# Altium PCB PCB.PcbDoc
Units mm, origin at the board's own origin, x right, y up, seen from the top; angles counter-clockwise.
Board outline 70 x 83.75 mm, 2 copper layers (Top Layer, Bottom Layer); 84 components, 66 nets, 256 pads, 152 vias.
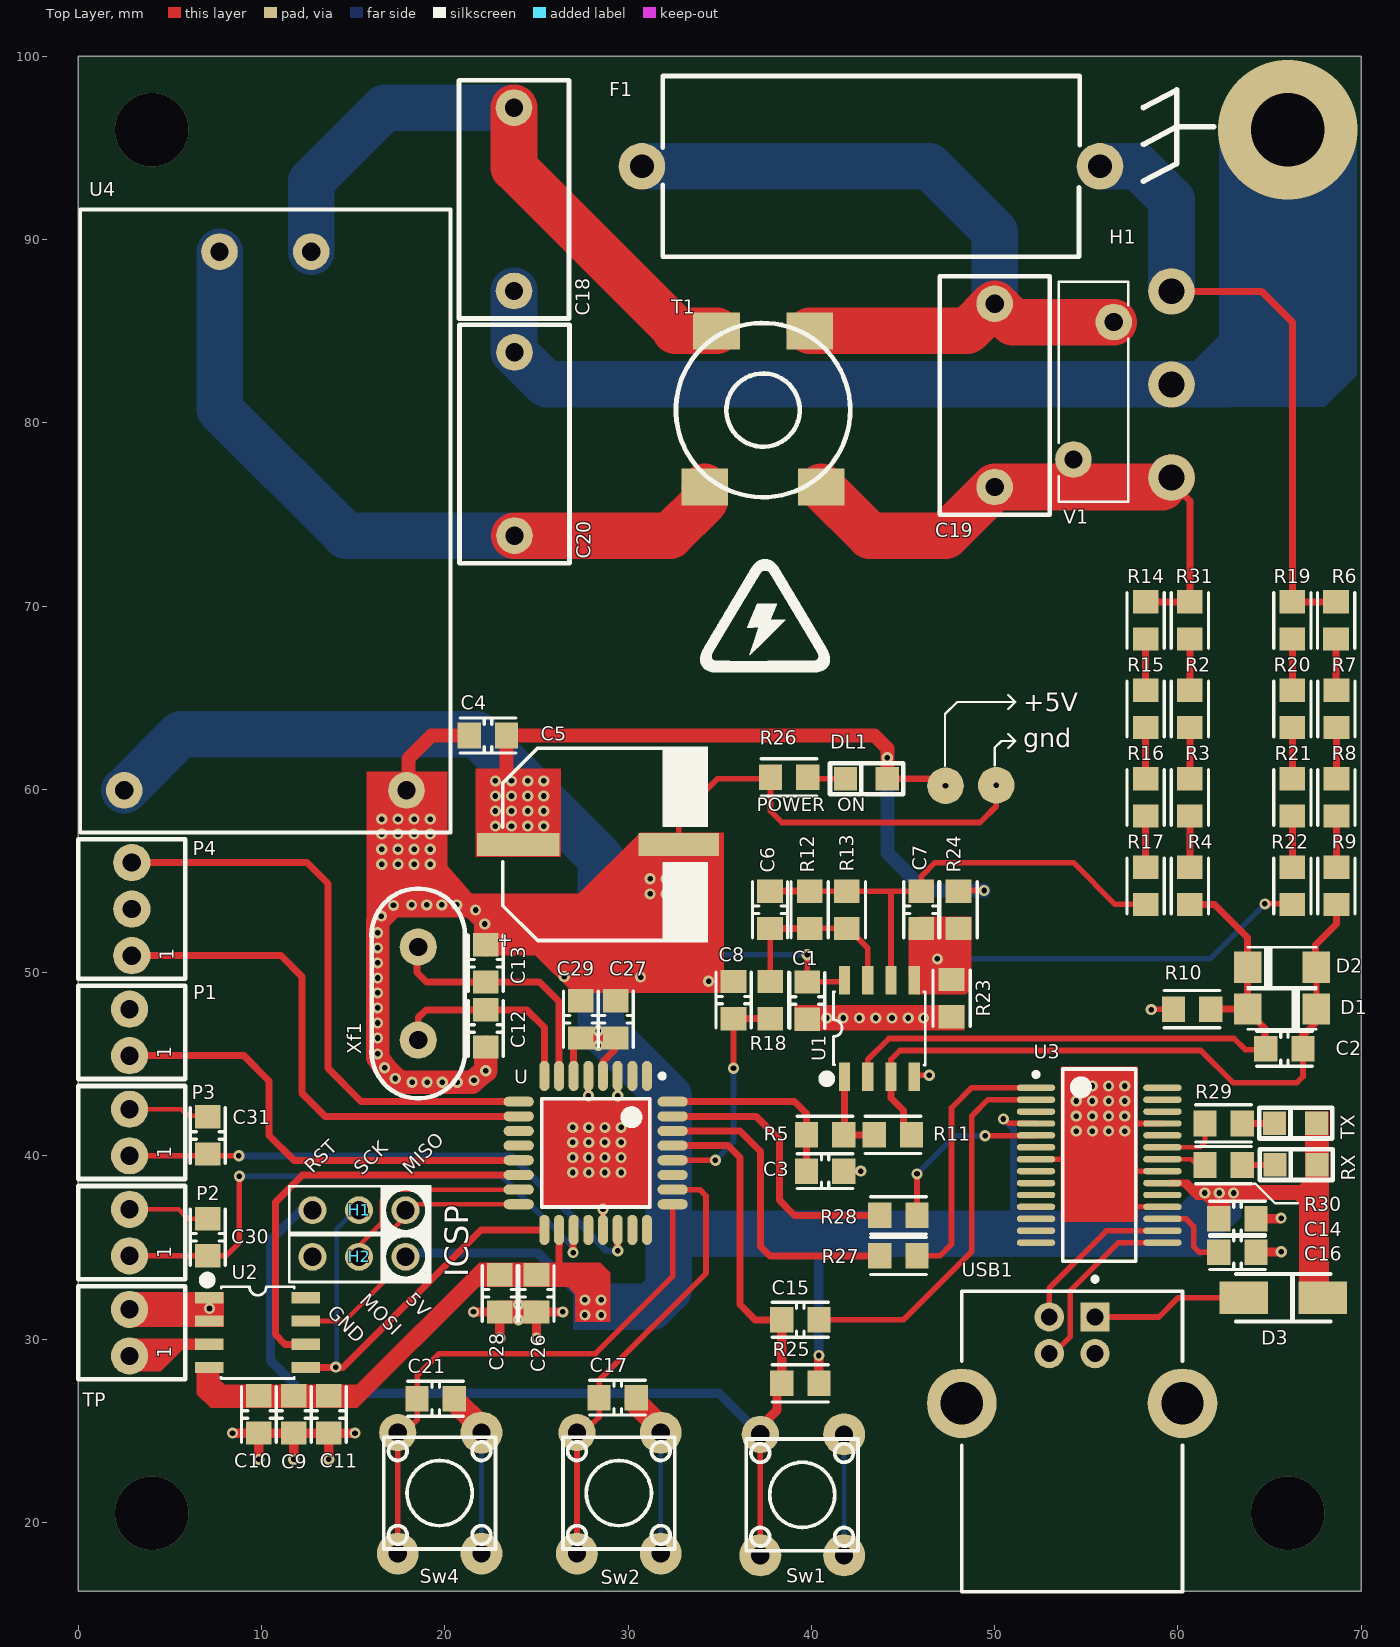
[diagram p0: Top Layer view]
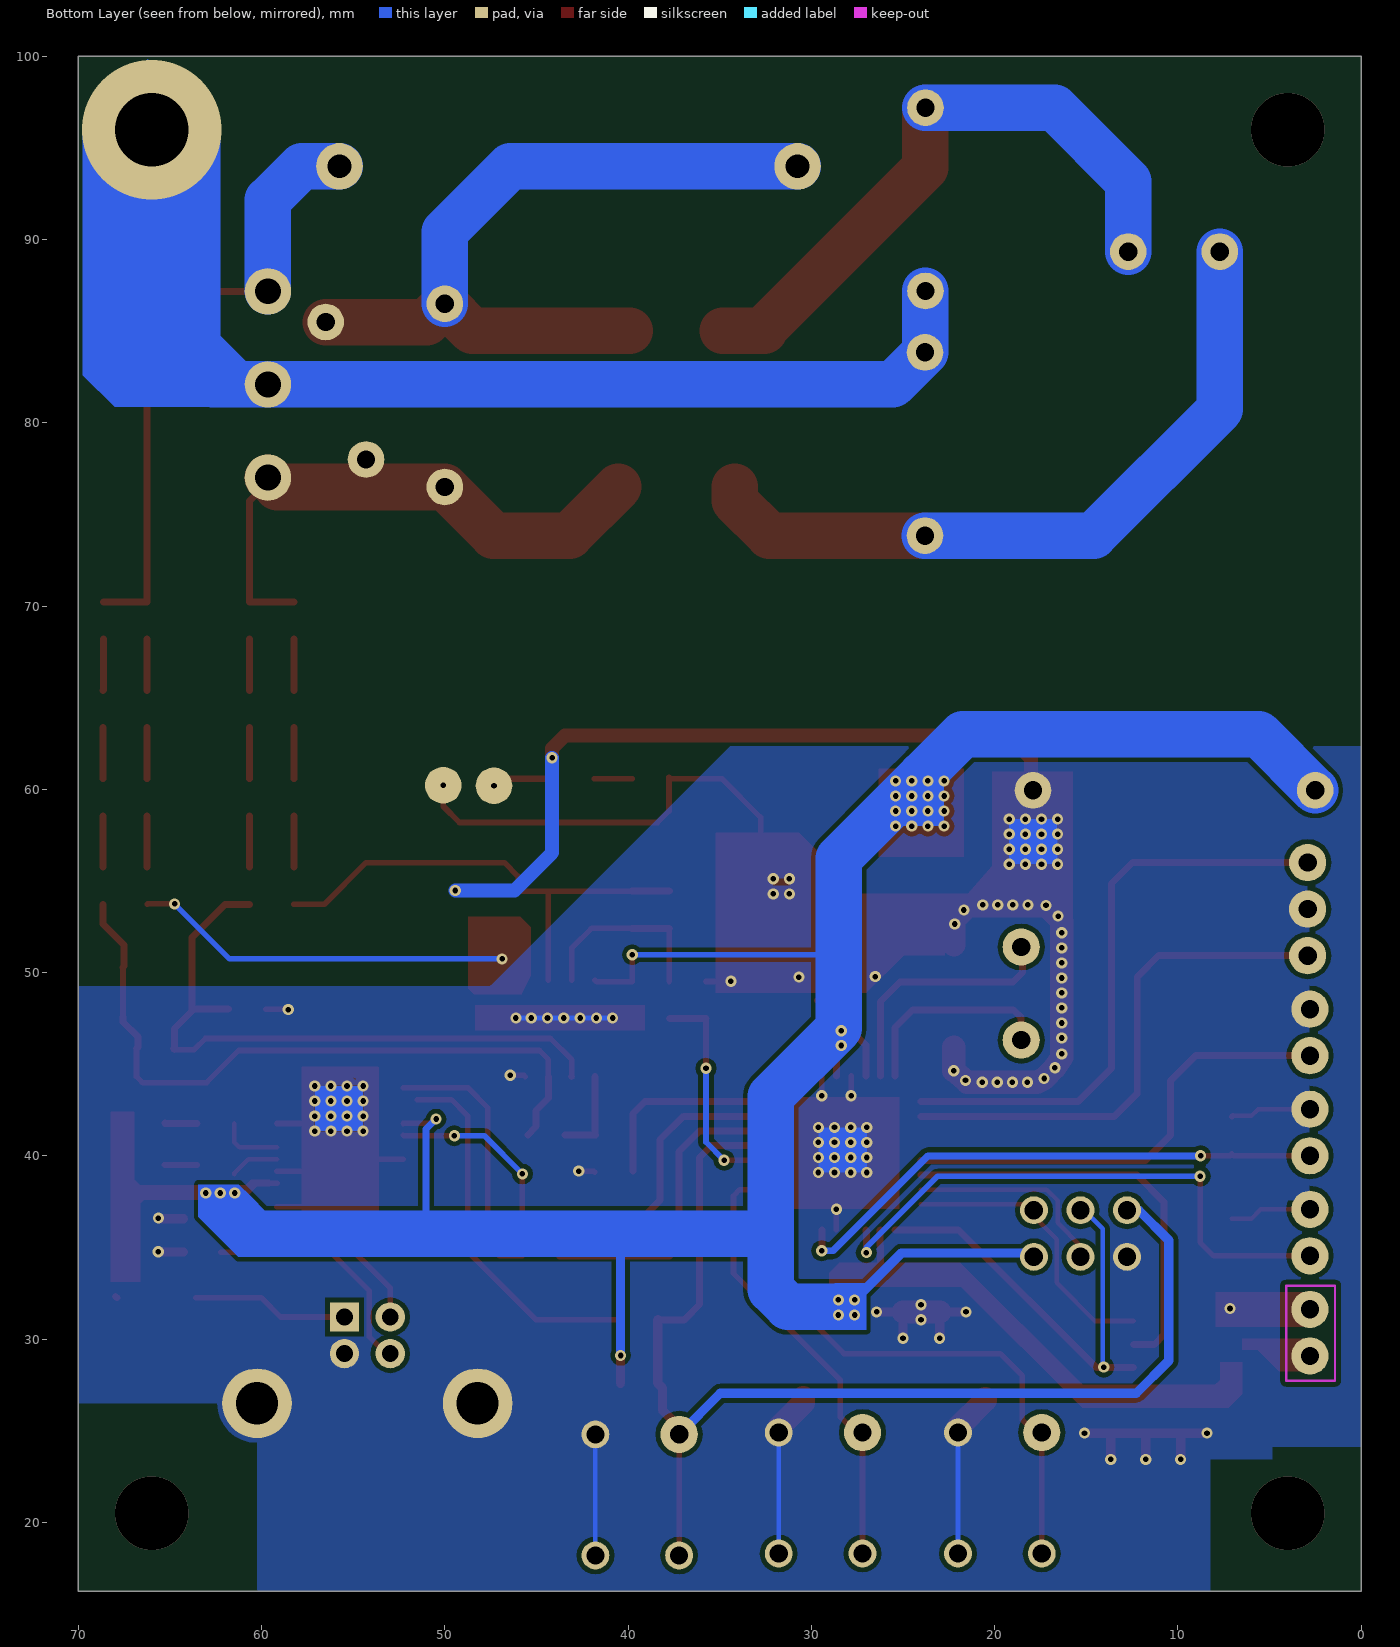
[diagram p1: Bottom Layer view, seen from below]

## Layer stack, top to bottom
Top Solder: solder mask 0.0102, Solder Resist, Dk 3.5
Top Layer: signal copper 0.0356
Dielectric 1: dielectric 0.32, FR-4, Dk 4.8
Bottom Layer: signal copper 0.0356
Bottom Solder: solder mask 0.0102, Solder Resist, Dk 3.5

## Board outline
0,16.25 70,16.25 70,100 0,100

## Design rules (kind name [scope] priority, off if disabled: settings)
Clearance JLCPCB [All] p1: gap=0.254 ignorepadtopadclearanceinfootprint=FALSE except(0: Arc-Text Arc-Hole Track-Text Track-Hole SMDPad-Text SMDPad-Hole THPad-Text THPad-Hole Via-Text Via-Hole Fill-Text Fill-Hole Poly-Text Poly-Hole Region-Text Region-Hole Text-Text Text-Hole; 0.127: Arc-Arc Arc-Track Arc-SMDPad Track-Track Track-SMDPad SMDPad-SMDPad SMDPad-THPad; 0.203: Arc-THPad Track-THPad; 0.508: Via-Via)
HoleSize [All] p1: absolutevalues=TRUE maxlimit=500 minlimit=0.025 maxpercent=80.000 minpercent=20.000
MinimumSolderMaskSliver [All] p1: minsoldermaskwidth=0
PolygonConnect [All] p1: connectstyle=Relief reliefconductorwidth=10 reliefentries=4 polygonreliefangle="90 Angle" airgapwidth=0.254
RoutingVias [All] p1: holewidth=0.305 width=0.61 viastyle="Through Hole" minholewidth=0.203 minwidth=0.254 maxholewidth=50.8 maxwidth=50.8
SilkToSilkClearance [All] p1: silktosilkclearance=0
SilkToSolderMaskClearance [IsPad] p1: minsilkscreentomaskgap=0 clearancetoexposedcopper=TRUE
SolderMaskExpansion [All] p1: expansion=0.102
Width [All] p1: maxlimit=25.4 minlimit=0.127 preferedwidth=0.762 minimp=50.000000 maximp=50.000000 favimp=50.000000
26 further rules are at their usual default settings.

## Classes and differential pairs
component class Processador: C12 C13 C14 C15 C16 C17 C21 C26 C27 C28 C29 C30 C31 D3 DL1 H1 H2 P1 P2 P3 P4 R25 R26 R27 R28 R29 R30 RX Sw1 Sw2 Sw4 TX U U3 USB1 Xf1
component class instrumentacao: C1 C2 C3 C4 C5 C6 C7 C8 C9 C10 C11 C18 C19 C20 D1 D2 F1 H1 R2 R3 R4 R5 R6 R7 R8 R9 R10 R11 R12 R13 R14 R15 R16 R17 R18 R19 R20 R21 R22 R23 R24 R31 T1 TP U1 U2 U4 V1

## Components (designator, comment, footprint, x,y, rotation, side; value= is the part's Value field where it differs from the comment)
C1 "0805" 0805C 39.775,48.476 r270 top value=100nF
C2 "0805" 0805C 65.81,45.847 r180 top value=NC
C3 "0805" 0805C 40.75,39.167 r180 top value=100nF
C4 "0805" 0805C 22.353,62.941 r0 top value=100nF
C5 "D10.0 A10.2" "CAP SMD D10.0 A10.2" 28.415,57 r0 top value=220uF
C6 "0805" 0805C 37.743,53.429 r90 top value=NC
C7 "0805" 0805C 45.998,53.429 r90 top value=NC
C8 "0805" 0805C 35.75,48.5 r270 top value=100nF
C9 "0805" 0805C 11.755,25.888 r270 top value=1nF
C10 "0805" 0805C 9.85,25.888 r270 top value=100nF
C11 "0805" 0805C 13.66,25.888 r270 top value=NC
C12 "0805" 0805C 22.231,46.954 r270 top value=22pF
C13 "0805" 0805C 22.231,50.51 r90 top value=22pF
C14 "0805" 0805C 63.25,36.567 r180 top value=100nF
C15 "0805" 0805C 39.395,31.056 r0 top value=100nF
C16 "0805" 0805C 63.25,34.75 r0 top value=100nF
C17 "0805" 0805C 29.431,26.808 r0 top value=100nF
C18 "Cap Film 22.5mm" "CAP FILM 10 mm Lead" 23.774,97.198 r270 top value="100 nF"
C19 "Cap Film 22.5mm" "CAP FILM 10 mm Lead" 50,86.5 r270 top value="100 nF"
C20 "Cap Film 22.5mm" "CAP FILM 10 mm Lead" 23.8,83.845 r270 top value="100 nF"
C21 "0805" 0805C 19.5,26.75 r0 top value=100nF
C26 "0805" 0805C 25,32.5 r270 top value=100nF
C27 "0805" 0805C 29.329,47.454 r90 top value=100nF
C28 "0805" 0805C 23,32.5 r270 top value=100nF
C29 "0805" 0805C 27.424,47.454 r90 top value=100nF
C30 "0805" 0805C 7.061,35.56 r90 top value=100nF
C31 "0805" 0805C 7.061,41.117 r90 top value=100nF
D1 "1N4148 SMD" "DIODE SMD LL-34" 65.683,48.006 r180 top
D2 "1N4148 SMD" "DIODE SMD LL-34" 65.683,50.292 r0 top
D3 "ES1J" DO-214AC 65.75,32.258 r0 top
DL1 "LED 0805" "LED SMD 0805" 43,60.579 r0 top
F1 "5 x 20 mm" "Fuseholder 5 x 20 mm" 43.25,94 r0 top
H1 "Header 3 pins" "Header 3" 15.316,37.033 r180 top
H1 "Terminal Blocks 3 Pos 5.08mm" BLOCK3P 59.652,77.015 r90 top
H2 "Header 3 pins" "Header 3" 15.316,34.493 r180 top
P1 "Molex_2" Molex_2 2.794,46.736 r90 top
P2 "Molex_2" Molex_2 2.794,35.814 r90 top
P3 "Molex_2" Molex_2 2.794,41.275 r90 top
P4 "Molex_3" Molex_3 2.921,53.467 r90 top
R2 "0805" 0805 60.654,64.389 r90 top value=220k
R3 "0805" 0805 60.654,59.563 r90 top value=220k
R4 "0805" 0805 60.654,54.737 r90 top value=220k
R5 "0805" 0805 40.75,41.148 r0 top value=50R
R6 "0805" 0805 68.63,69.215 r90 top value=220k
R7 "0805" 0805 68.655,64.389 r90 top value=220k
R8 "0805" 0805 68.655,59.563 r90 top value=220k
R9 "0805" 0805 68.655,54.737 r90 top value=220k
R10 "0805" 0805 60.781,48.006 r180 top value=0R
R11 "0805" 0805 44.45,41.148 r0 top value=NC
R12 "0805" 0805 39.902,53.429 r90 top value=10k
R13 "0805" 0805 41.934,53.429 r90 top value=10k
R14 "0805" 0805 58.241,69.215 r90 top value=220k
R15 "0805" 0805 58.241,64.389 r90 top value=220k
R16 "0805" 0805 58.241,59.563 r90 top value=220k
R17 "0805" 0805 58.241,54.737 r90 top value=220k
R18 "0805" 0805 37.75,48.5 r90 top value=250R
R19 "0805" 0805 66.242,69.215 r90 top value=220k
R20 "0805" 0805 66.242,64.389 r90 top value=220k
R21 "0805" 0805 66.242,59.563 r90 top value=220k
R22 "0805" 0805 66.242,54.737 r90 top value=220k
R23 "0805" 0805 47.649,48.603 r270 top value=10k
R24 "0805" 0805 48.03,53.429 r90 top value=10k
R25 "0805" 0805 39.395,27.584 r0 top value=10k
R26 "0805" 0805 38.786,60.655 r0 top value=1k
R27 "0805" 0805 44.75,34.544 r180 top value=1k
R28 "0805" 0805 44.75,36.75 r180 top value=1k
R29 "0805" 0805 62.5,41.767 r0 top value=1k
R30 "0805" 0805 62.5,39.5 r0 top value=1k
R31 "0805" 0805 60.654,69.215 r90 top value=220k
RX "LED 0805" "LED SMD 0805" 66.446,39.522 r0 top
Sw1 "SW_PUSH_BUTTON" PUSH_BUTTON 39.5,21.5 r0 top
Sw2 "SW_PUSH_BUTTON" PUSH_BUTTON 29.496,21.601 r0 top
Sw4 "SW_PUSH_BUTTON" PUSH_BUTTON 19.714,21.601 r0 top
T1 "Transformador Driver" Trafo_Driver 37.363,80.696 r270 top value=1:1
TP "Molex_2" Molex_2 2.794,30.353 r90 top
TX "LED 0805" "LED SMD 0805" 66.421,41.783 r0 top
U "ATmega328P-AU" 32A_N 28.231,40.16 r270 top
U1 "CI Ampop Soic-8 generico" "SOIC 8" 43.712,46.952 r90 top
U2 "MAX6675" "SOIC 8" 9.779,30.353 r0 top
U3 "CI FT232RL-Reel" SSOP-28_N 55.709,39.492 r0 top
U4 "5V supply*" HILINK 20.307,91.644 r270 top
USB1 "USB type B" USB2.5-2H4D 54.23,30.21 r270 top
V1 "MOV-10D561K" "VARISTOR 7.5mm" 54.3,78 r90 top
Xf1 "Crystal" "CRYSTAL HIGH" 18.548,48.859 r270 top

## Footprints (in the part's own frame and the unit in brackets; to place one, negate y for a bottom-side part, rotate by r counter-clockwise, add the part's x,y. Pads: shape width x height; smd on the part's side, far side on the other; paste and mask are expansions set on the pad)
32A_N [mm] "Thin QFP, 32-Leads, Body 7x7mm, Pitch 0.8mm, IPC Medium Density"
  oval 1.65x0.55 smd: 1(-4.2,2.8) 2(-4.2,2) 3(-4.2,1.2) 4(-4.2,0.4) 5(-4.2,-0.4) 6(-4.2,-1.2) 7(-4.2,-2) 8(-4.2,-2.8) 17(4.2,-2.8) 18(4.2,-2) 19(4.2,-1.2) 20(4.2,-0.4) 21(4.2,0.4) 22(4.2,1.2) 23(4.2,2) 24(4.2,2.8)
  oval 0.55x1.65 smd: 9(-2.8,-4.2) 10(-2,-4.2) 11(-1.2,-4.2) 12(-0.4,-4.2) 13(0.4,-4.2) 14(1.2,-4.2) 15(2,-4.2) 16(2.8,-4.2) 26(2,4.2) 27(1.2,4.2) 28(0.4,4.2) 29(-0.4,4.2) 30(-1.2,4.2) 31(-2,4.2) 32(-2.8,4.2)
  oval 0.55x1.65 smd paste+0: 25(2.8,4.2)
  silkscreen extent -4.32,-2.95 2.95,3.75, body extent -4.57,-4.58 4.63,4.62, height 1.2
0805 [mil]
  rect 50x55 smd: 1(-40,0) 2(40,0)
  silkscreen extent -60,-40 60,40, body extent -39,-25 39,25, height 31
0805C [mil]
  rect 50x55 smd: 1(-40,0) 2(40,0)
  silkscreen extent -60,-38 60,38, body extent -39,-25 39,25, height 39
BLOCK3P [mm] "Pluggable Terminal Blocks 3 Pos 5.08mm pitch Through Hole Header"
  round 2.54 hole 1.4: 1(0,0) 2(5.08,0) 3(10.16,0)
  body extent -3.52,-9.99 13.72,4.83, height 8.48
"CAP FILM 10 mm Lead" [mm]
  round 2 hole 1: 1(0,0) 2(10,0)
  silkscreen extent -1.5,-3 11.51,3, body extent -1.5,-3 11.5,3, height 12.25
"CAP SMD D10.0 A10.2" [mm] "Aluminium Electrolytic Capacitor Diametro 10mm base 10.3mm e 10.5mm de altura"
  rect 4.5x1.25 smd: 1(-4.4,0)
  rect 4.4x1.25 smd: 2(4.35,0)
  silkscreen extent -5.25,-5.35 5.95,5.35, body extent -5.15,-5.15 5.15,5.15, height 10.6
"CRYSTAL HIGH" [mil]
  round 80 hole 39.37: 1(-100,0) 2(100,0)
  silkscreen extent -225,-100 225,100, body extent -217,-89 217,89, height 520
"DIODE SMD LL-34" [mm]
  rect 1.5x1.7 smd: A(1.88,0) K(-1.88,0)
  silkscreen extent -1.85,-1.09 1.85,1.09, body extent -1.75,-0.75 1.75,0.75, height 1.54
DO-214AC [mm]
  rect 2.65x1.75 smd: 1(-2.15,0) 2(2.15,0)
  silkscreen extent -2.6,-1.3 2.6,1.3, body extent -2.6,-1.3 2.6,1.3, height 2.4
"Fuseholder 5 x 20 mm" [mm] "Fuseholder Open Design, 5 x 20 mm"
  round 2.54 hole 1.3: 1(-12.5,0) 2(12.5,0)
  silkscreen extent -11.36,-4.93 11.4,4.93, body extent -12.75,-4.8 12.69,4.8, height 11.5
"Header 3" [mil]
  round 60 hole 39.37: 1(-100,0) 2(0,0) 3(100,0)
  silkscreen extent -156,-53 150,54, body extent -150,-49 150,49, height 336
HILINK [mm] "3W Ultra-small Power Module  PM0X"
  round 2 hole 1: 1(2.3,-7.6) 2(2.3,-12.6) 3(31.7,-2.4) 4(31.7,-17.8)
  silkscreen extent 0,-20.2 34,0, body extent 0,-20.2 34,0, height 15.01
"LED SMD 0805" [mil]
  rect 50x50 smd: 1(45,0) 2(-45,0)
  silkscreen extent -78,-33 79,33, body extent -41,-18 41,18, height 33
Molex_2 [mil]
  round 80 hole 39.37: 1(-50,0) 2(50,0)
  silkscreen extent -100,-120 100,110, body extent -100,-120 100,110, height 122
Molex_3 [mil]
  round 80 hole 39.37: 1(-100,0) 2(0,0) 3(100,0)
  silkscreen extent -150,-115 150,115, body extent -150,-115 150,115, height 460
PUSH_BUTTON [mil]
  round 90 / inner round 60 / far side round 60 hole 39: 1(-90,-130) 2(90,-130) 2(90,130)
  round 80 hole 39.37: 1(-90,130)
  silkscreen extent -120,-120 120,120, body extent -124,-156 120,156, height 170
"SOIC 8" [mm] "SOIC 8"
  rect 1.54x0.612 smd: 1(-2.63,1.905) 2(-2.63,0.635) 3(-2.63,-0.635) 4(-2.63,-1.905) 5(2.63,-1.905) 6(2.63,-0.635) 7(2.63,0.635) 8(2.63,1.905)
  silkscreen extent -2.95,-2.5 2.01,3.07, body extent -3,-2.45 3,2.45, height 1.75
SSOP-28_N [mm] "SOP, 28-Leads, Body 10.2x5.3mm, Pitch 0.65mm, IPC Medium Density"
  oval 2.1x0.35 smd: 1(-3.45,4.225) 2(-3.45,3.575) 3(-3.45,2.925) 4(-3.45,2.275) 5(-3.45,1.625) 6(-3.45,0.975) 7(-3.45,0.325) 8(-3.45,-0.325) 9(-3.45,-0.975) 10(-3.45,-1.625) 11(-3.45,-2.275) 12(-3.45,-2.925) 13(-3.45,-3.575) 14(-3.45,-4.225) 15(3.45,-4.225) 16(3.45,-3.575) 17(3.45,-2.925) 18(3.45,-2.275) 19(3.45,-1.625) 20(3.45,-0.975) 21(3.45,-0.325) 22(3.45,0.325) 23(3.45,0.975) 24(3.45,1.625) 25(3.45,2.275) 26(3.45,2.925) 27(3.45,3.575) 28(3.45,4.225)
  silkscreen extent -3.57,-5.25 2,5.25, body extent -3.91,-5.1 3.91,5.1, height 2.05
Trafo_Driver [mil]
  rect 80x100 smd: 1(-170,100) 2(-170,-100) 3(165,125) 5(165,-125)
  silkscreen extent -187,-187 187,187, body extent -197,-197 197,197, height 152
USB2.5-2H4D [mm] "Connector; USB1.1, Type B, Thru-Hole; 4 Position; Right Angle"
  rect 1.6x1.6 hole 0.92: 1(-1,1.25)
  round 1.6 hole 0.92: 2(-1,-1.25) 3(1,-1.25) 4(1,1.25)
  round 3.8 hole 2.3: 5(3.71,6.02) 6(3.71,-6.02)
  silkscreen extent -3.18,-6.02 13.99,6.02, body extent -2.92,-7.44 14.08,7.44, height 11
"VARISTOR 7.5mm" [mm]
  round 2 hole 1: 1(0,0) 2(7.5,-2.2)
  silkscreen extent -2.3,-3 9.7,0.8, body extent -2.3,-3 9.7,0.8, height 14

## Part data
C1 C2 C3 C4 C6 C7 C8 C9 C10 C11 C12 C13 C14 C15 C16 C17 C21 C26 C27 C28 C29 C30 C31: library part "Capacitor SMD 0805", "Capacitor SMD 0805"
C5: library part "Capacitor SMD D10.0 A10.2", "Capacitor SMD D10.0 A10.2", %=±20%
C18 C19 C20: library part "Capacitor FILM 100nF 275 VAc", "Safety Capacitors 275VAC 0.1uF 10% LS 10mm X2", %=±20%, ComponentLink1Description=Mouser, ComponentLink1URL=https://www.mouser.com/ProductDetail/EPCOS-TDK/B32921Y2104K000?qs=TuK3vfAjtkXr4SycMmru8w%3D%3D, Tensão=200V
D1 D2: library part "Diodo Sinal SMD 1N4148", "Diodo Sinal SMD LL-34"
D3: library part "Diode ES1J", "Rectifiers 1.0 A Ultra Fast Recovery Rect", ComponentLink1Description=MOUSER, ComponentLink1URL=https://br.mouser.com/ProductDetail/512-ES1J, ComponentLink2Description=DATASHEET, ComponentLink2URL=https://br.mouser.com/datasheet/2/308/ES1J-D-1804952.pdf
DL1 RX TX: library part "LED 0805 SMD", "Typical INFRARED GaAs LED", LatestRevisionDate=08-Jul-2005, LatestRevisionNote="Mech Layer 1 removed.", PackageReference=LED-0, Published=8-Jun-2000, Publisher="Altium Limited"
F1: library part "FuseHolder 5 x 20 mm", "Fuseholder Open Design, 5 x 20 mm", 3D Model=https://www.3dcontentcentral.com/secure/download-model.aspx?catalogid=171&id=541358, Corrente=16A, DataSheet=https://br.mouser.com/datasheet/2/358/typ_OGN-14523.pdf, Tensão="500 VA"
H1 H2: library part "Header 1x3 Macho"
H1: library part "Header  Pos 5.08mm", "Pluggable Terminal Blocks 3 Pos 5.08mm pitch Through Hole Header", ComponentLink1Description=mouser, ComponentLink1URL=https://br.mouser.com/ProductDetail/Phoenix-Contact/1757255?qs=uD%2FdkN7XIa0ez8xszzicKg%3D%3D, ComponentLink2Description=datasheet, ComponentLink2URL=https://br.mouser.com/datasheet/2/324/4/1757255-1440716.pdf
R2 R3 R4 R5 R6 R7 R8 R9 R10 R11 R12 R13 R14 R15 R16 R17 R18 R19 R20 R21 R22 R23 R24 R25 R26 R27 R28 R29 R30 R31: library part "Resistor SMD 0805 1/8 W", "Resistor SMD 0805 1/8 W", %=±1%, P=1/8W
Sw1 Sw2 Sw4: library part SW-PB, "Switch Push Button", LatestRevisionDate=17-Jul-2002, LatestRevisionNote="Re-released for DXP Platform.", PackageReference=SPST-2, Published=24-Mar-1999, Publisher="Altium Limited"
U: "8-bit AVR Microcontroller, 32KB Flash, 1KB EEPROM, 2KB SRAM, 32-pin TQFP, Industrial Grade (-40°C to 85°C)", Supplier Part Number 1=ATMEGA328P-AU-ND, Code_JEDEC=MS-026-ABA, ComponentLink1Description="Manufacturer Link", ComponentLink1URL=http://www.atmel.com/products/avr/default.asp?, ComponentLink2Description="ATmega48A/48PA/88A/88PA/168A/168PA/328/328P Datasheet", ComponentLink2URL=http://www.atmel.com/dyn/resources/prod_documents/8271.pdf, ComponentLink3Description="ATmega48A/48PA/88A/88PA/168A/168PA/328/328P Summary", ComponentLink3URL=http://www.atmel.com/dyn/resources/prod_documents/8271S.pdf, ComponentLink4Description="Atmel.com Home", ComponentLink4URL=http://www.atmel.com, DatasheetVersion="revA, Jan-2010", PackageDescription="32-Lead, 7x7x1.0 mm Body, 0.8mm Lead Pitch, Thin Profile Plastic Quad Flat Package (TQFP)", PackageReference=32A, PackageVersion="revB, Oct-2001", Published=1-Apr-2010, Publisher="Altium Limited", Supplier 1=Digi-Key, Supplier 2=Farnell, Supplier 3=Mouser, Supplier Part Number 2=1715486, Supplier Part Number 3=556-ATMEGA328P-AU
U2: "Cold-Junction-Compensated K-Thermocoupleto-Digital Converter (0°C to +1024°C)", ComponentLink1Description=Datasheet, ComponentLink1URL=https://datasheets.maximintegrated.com/en/ds/MAX6675.pdf
U3: "USB UART Asynchronous Serial Data Transfer Chip, SSOP-28, Tape and Reel", ComponentLink1Description="Manufacturer Link", ComponentLink1URL=http://www.ftdichip.com/Products/ICs/FT232R.htm, ComponentLink2Description=Datasheet, ComponentLink2URL=http://www.ftdichip.com/Support/Documents/DataSheets/ICs/DS_FT232R.pdf, DatasheetVersion="ver 2.07, Jul-2010", PackageDescription="28-Pin Small Outline Package 0.65 mm Pitch", PackageReference=SSOP-28, PackageVersion=2010, Published=19-Aug-2010, Publisher="Altium Limited"
U4: library part "HI-LINK PM01 3W", "5V 3W Ultra-small Power Module PM03", ComponentLink1Description=datasheet, ComponentLink1URL=https://datasheet.lcsc.com/szlcsc/1909111105_HI-LINK-HLK-PM24_C399250.pdf
V1: library part Varistor, "Varistors 180pF 560volts 10%", ComponentLink1Description=MOUSER, ComponentLink1URL=https://www.mouser.com/ProductDetail/Bourns/MOV-10D561K?qs=lgttKnAd%252B2ArrqGQgWwr6w%3D%3D
Xf1: library part "Crystal Oscillator", "Crystal Oscillator", =20Mhz

## Free pads (board coordinates)
  round 2 hole 0.305: 2(47.32,60.198) 3(50.089,60.223)

## Via types
v1: diameter 0.61, hole 0.305, Top Layer to Bottom Layer, tented both sides, 148 vias
v2: diameter 4, hole 4, Top Layer to Bottom Layer, tented both sides, 3 vias
v3: diameter 7.62, hole 4, Top Layer to Bottom Layer, 1 vias

## Nets (pads, with @x,y where several pads share a name; then routed paths per layer and width w, separated by ;. In a path a pad name is that pad's centre, name@x,y a point inside that pad or via, vN(x,y) a via of type N, cw(c..) or ccw(c..) an arc to the next point about the centre after c; other vN are vias at no path point)
+3.3V: C16.1 U3.17 | length 4.5
  Top Layer w0.305: U3.17 60.436,36.567 60.858,36.144 60.858,35.052 61.16,34.75 C16.1
+5V: C1.1 C4.2 C5.1 C9.1 C10.1 C11.1 C14.2 C26.1 C27.1 C28.1 C29.1 D3.2 DL1.1 H2.1 pad.2 R24.2 R25.2 RX.1 TX.1 U1.8 U2.4 U3.4 U3.20 U4.4 U.4 U.6 U.18 | length 206.3
  Top Layer w0.305: 22.353,59.944 23.559,58.738 24.015,58.282 C5.1 ; v1(39.775,50.976) C1.1 41.717,49.492 U1.8 ; R24.2 48.068,54.483 v1(49.428,54.483) ; v1(50.477,42.012) 50.56,42.012 50.796,41.776 52.25,41.776 U3.4 ; U3.20 59.168,38.508 60.539,38.508
  Top Layer w0.381: C11.1 15.404,26.904 22.016,33.516 C28.1 C26.1 25.016,33.5 26,33.5 26.226,33.726 26.226,35.083 26.25,35.107 26.25,35.941 U.18 ; U.6 27.031,46.045 C29.1 C27.1@29.266,46.438 ; U.4 28.631,45.136 29.266,45.771 C27.1@29.266,46.438 ; C27.1 C27.1@29.266,46.438 ; DL1.1 46.939,60.579 pad.2 ; D3.2 D3.2@67.969,32.327 ; 67.969,36 RX.1@67.969,39.5
  Top Layer w0.508: R25.2 v1@40.411,29.083
  Top Layer w0.762: 23.369,60.197 23.369,60.46 C4.2 43.434,62.941 44.143,62.232 DL1.1
  Bottom Layer w0.305: 28.5,50.749 28.727,50.976 v1(39.775,50.976)
  Bottom Layer w0.381: v1(50.477,42.012) 51.029,41.46 51.029,35.852 50.927,35.75
  Bottom Layer w0.508: H2.1@17.856,34.696 25.087,34.696 v1(27.644,32.139) ; v1(40.411,29.108) 40.411,35.547 40.615,35.75
  Bottom Layer w0.762: v1(44.145,61.722) 44.145,56.54 46.203,54.483 v1(49.428,54.483)
  Bottom Layer w2.54: U4.4 5.58,63.017 21.733,63.017 23.964,60.786 24.845,59.905 25.666,59.084 28.5,56.25 28.5,50.749 28.5,46.963 32.207,43.256 32.207,32.701 31.281,31.775 28.372,31.775 ; 32.258,35.75 40.615,35.75 50.927,35.75 60.566,35.75 61.951,37.135
  other v1: 27.644,31.318 28.524,31.318 28.524,32.139 61.468,37.973 62.255,37.973 63.043,37.973 28.372,46.025 28.372,46.829 22.758,57.997 23.639,57.997 24.519,57.997 25.4,57.997 22.758,58.818 23.639,58.818 24.519,58.818 25.4,58.818 22.758,59.639 23.639,59.639 24.519,59.639 25.4,59.639 22.758,60.46 23.639,60.46 24.519,60.46 25.4,60.46
AC+: C18.1 T1.2 U4.1 | length 34.6
  Top Layer w2.54: C18.1 23.774,93.929 32.563,85.141 32.563,85.014 T1.2
  Bottom Layer w2.54: U4.1 12.707,93.174 16.731,97.198 C18.1
AC-: C20.2 T1.5 U4.2 | length 39.5
  Top Layer w2.54: C20.2 32.291,73.845 34.188,75.743 T1.5
  Bottom Layer w2.54: U4.2 7.707,80.736 14.597,73.845 C20.2
ADC0: U.23
ADC1: U.24
ADC2: C21.1 Sw4.1 U.25 | length 30.4
  Top Layer w0.305: Sw4.1@17.428,18.299 17.428,24.75 17.64,24.75 18.484,25.594 C21.1 18.484,28 19.694,29.21 28.219,29.21 32.431,33.422 32.431,35.23 U.25
ADC3: C17.1 Sw2.1 U.26 | length 24.6
  Top Layer w0.305: Sw2.1@27.21,18.299 27.21,24.903 27.568,24.903 28.415,25.75 C17.1 28.415,27.755 34.25,33.59 34.25,37.211 34.25,37.821 33.911,38.16 U.26
ADC4: U.27
ADC5: C8.2 R18.1 U.28 | length 12.5
  Top Layer w0.305: U.28 v1(34.76,39.76) ; v1(35.75,44.786) C8.2
  Top Layer w0.381: C8.2 R18.1
  Bottom Layer w0.305: v1(34.76,39.76) 35.75,40.75 v1(35.75,44.786)
ADC6: C30.1 P2.1 U.19 | length 31
  Top Layer w0.305: P2.1 C30.1 8.052,34.544 8.788,35.281 v1(8.788,38.887)
  Top Layer w0.381: v1(27,34.722) 27,35.866 27.006,35.872 26.975,35.904 U.19
  Bottom Layer w0.305: v1(8.788,38.887) 23.114,38.887 v1@27.006,34.995
ADC7: C31.1 P3.1 U.22 | length 30
  Top Layer w0.305: P3.1 6.965,40.005 C31.1 7.157,40.005 v1(8.763,40.005)
  Top Layer w0.381: v1(29.431,34.823) U.22
  Bottom Layer w0.381: v1(8.763,40.005) 23.645,40.005 28.826,34.823 v1(29.431,34.823)
AREF: U.20
D+: U3.15 USB1.3 | length 10.3
  Top Layer w0.305: USB1.3@52.913,29.277 USB1.3 53.21,29.21 54.136,30.136 54.136,32.647 56.755,35.267 U3.15
D-: U3.16 USB1.2 | length 9.1
  Top Layer w0.305: USB1.2 52.98,32.787 56.101,35.908 59.15,35.908 U3.16
FASE: F1.2 H1.3@59.652,87.175 R6.2 R19.2 | length 34.6
  Top Layer w0.381: H1.3@59.652,87.175 64.575,87.175 66.242,85.508 R19.2 R6.2
  Bottom Layer w2.54: F1.2 57.816,94 59.652,92.164 H1.3@59.652,87.175
FASE_F: C19.1 F1.1 T1.1 V1.2 | length 42.3
  Top Layer w2.54: T1.1 48.514,85.014 C19.1 51,85.5 V1.2
  Bottom Layer w2.54: F1.1 46.437,94 50,90.437 C19.1
GND: C1.2 C3.1 C4.1 C5.2 C8.1 C9.2 C10.2 C11.2 C12.2 C13.2 C14.1 C16.2 C17.2 C21.2 C26.2 C27.2 C28.2 C29.2 C30.2 C31.2 H2.3 P1.2 P2.2 P3.2 P4.2 pad.3 R10.2 R23.2 R26.1 Sw1.2 Sw2.2 Sw4.2 TP.2 U1.4 U2.1 U2.2 U3.7 U3.18 U3.21 U3.25 U4.3 U.3 U.5 U.21 USB1.4 USB1.5 USB1.6 | length 151.4
  Top Layer w0.254: P2.2 5.474,37.084 5.982,36.576 C30.2 ; P3.2 5.626,42.545 5.982,42.189 C31.2@7.005,42.189
  Top Layer w0.305: C31.2@7.005,42.189 C31.2 ; C4.1@20.854,63.487 21.337,63.005 C4.1 ; v1@27.737,39.98 27.831,40.074 v1(27.831,43.282) U.5 ; U.21 v1(28.631,37.084) v1@28.631,39.288 ; 29.235,41.631 29.431,41.826 v1(29.431,43.282) U.3 ; C5.2 32.765,58.47 34.874,60.579 R26.1@37.734,60.579 ; v1(34.392,49.53) 34.406,49.516 C8.1 ; R26.1 37.77,58.815 38.394,58.191 49.2,58.191 50.089,59.08 pad.3 ; C1.2 39.889,47.574 v1@41.021,47.574 ; C3.1@41.822,39.111 41.879,39.167 v1(42.697,39.167) ; U1.4 45.694,44.399 v1(46.431,44.399) ; v1@46.126,47.574 47.433,47.574 47.535,47.473 R23.2 ; U3.7 55.662,39.817 ; 55.778,39.167 U3.21 ; 55.95,37.217 U3.18 ; 56.474,41.767 U3.25 ; v1(58.547,47.981) 58.572,48.006 R10.2 ; v1@65.599,36.567 v1(65.634,36.601) ; v1@65.614,34.75 v1(65.636,34.773)
  Top Layer w0.381: C13.2 25.614,51.526 27.424,49.716 C29.2 ; C27.2 C27.2@29.674,48.47 ; Sw2.2@31.782,24.903 Sw2.2@31.782,25.178
  Top Layer w0.508: v1(8.413,24.872) C10.2 ; v1(9.85,23.435) C10.2 ; v1(11.755,23.435) C9.2 ; v1(13.66,23.435) C11.2 ; v1(15.097,24.872) C11.2 ; v1(21.563,31.484) C28.2 v1(23,30.047) ; v1(25,30.047) C26.2 v1(26.437,31.484) ; C16.2 v1@65.614,34.75 ; C14.1 v1@65.599,36.567 ; C10.2 C9.2 ; C9.2 C11.2
  Top Layer w0.762: U4.3 18.009,60.046 18.009,61.671 19.279,62.941 C4.1
  Top Layer w1.27: C21.2 20.516,26.662 22,25.178 Sw4.2@22,24.903 ; C12.2 22.23,45.887 v1(22.23,44.648) v1(21.59,44.121) 21.487,44.018 v1(20.676,44.018) v1(19.854,44.018) v1(19.033,44.018) v1(18.212,44.018) 17.678,44.018 v1(17.297,44.221) v1(16.713,44.806) 16.332,45.364 v1(16.332,45.568) v1(16.332,46.431) v1(16.332,47.252) v1(16.332,48.074) v1(16.332,48.895) v1(16.332,49.708) v1(16.332,50.529) v1(16.332,51.35) v1(16.332,52.172) 16.332,52.807 v1(17.196,53.67) 21.424,53.67 v1(21.678,53.416) 22.231,52.863 C13.2 ; C28.2 C26.2 ; C17.2 30.447,26.512 Sw2.2@31.782,25.178
  Bottom Layer w0.254: Sw4.2@22,18.299 Sw4.2@22,24.903 ; Sw2.2@31.782,18.299 Sw2.2@31.782,24.903 ; v1(40.843,47.523) v1(46.126,47.523) ; Sw1.2@41.786,18.198 Sw1.2@41.786,24.802
  other v1: 24.015,31.056 7.157,31.674 24.015,31.877 26.975,39.091 27.855,39.091 28.736,39.091 29.616,39.091 26.975,39.912 27.855,39.912 28.736,39.912 29.616,39.912 26.975,40.733 27.855,40.733 28.736,40.733 29.616,40.733 54.458,41.351 55.338,41.351 56.219,41.351 57.099,41.351 26.975,41.554 27.855,41.554 28.736,41.554 29.616,41.554 54.458,42.172 55.338,42.172 56.219,42.172 57.099,42.172 54.458,42.994 55.338,42.994 56.219,42.994 57.099,42.994 54.458,43.815 55.338,43.815 56.219,43.815 57.099,43.815 41.732,47.523 42.621,47.523 43.51,47.523 44.399,47.523 45.288,47.523 30.683,49.759 26.518,49.784 22.174,52.654 16.535,53.086 18.186,53.696 19.008,53.696 19.829,53.696 20.65,53.696 31.2,54.297 32.08,54.297 31.2,55.118 32.08,55.118 16.561,55.914 17.441,55.914 18.322,55.914 19.202,55.914 16.561,56.735 17.441,56.735 18.322,56.735 19.202,56.735 16.561,57.556 17.441,57.556 18.322,57.556 19.202,57.556 16.561,58.378 17.441,58.378 18.322,58.378 19.202,58.378
NC: U2.8
NetC2_1: C2.1 D1.K D2.A R9.1 R11.2 U1.3 | length 38.4
  Top Layer w0.305: U1.3 44.347,45.261 44.836,45.75 61.25,45.75 63,44 66.5,44 66.826,44.326 C2.1 ; D1.K@67.563,47.587 D1.K D2.A
  Top Layer w0.381: U1.3 44.347,43.153 45.021,42.479 45.021,41.593 R11.2 ; C2.1 66.75,45.923 66.75,46.5 67.563,47.313 D1.K@67.563,47.587 ; D2.A 67.5,50.355 67.5,51.5 68.655,52.655 R9.1
NetC2_2: C2.2 D1.A D2.K R4.1 R10.1 U1.2 | length 35.8
  Top Layer w0.305: U1.2 43.077,45.25 44.233,46.406 63.065,46.406 63.674,45.796 C2.2@64.743,45.796
  Top Layer w0.381: R4.1 62,53.721 63.804,51.917 D2.K D1.A D1.A@63.804,47.906 ; R10.1 63.704,48.006 D1.A@63.804,47.906 ; C2.2@64.743,45.796 C2.2 64.75,45.891 64.75,46.96 D1.A@63.804,47.906
NetC6_1: C6.1 R12.1 R13.1 R18.2 U1.7 | length 10.4
  Top Layer w0.305: C6.1 37.75,52.406 R18.2 ; R12.1@39.775,52.413 R12.1 R13.1 41.998,52.413 43.077,51.334 U1.7
  Top Layer w0.381: C6.1 R12.1@39.775,52.413
NetC6_2: C6.2 C7.2 R12.2 R13.2 R17.1 U1.6 | length 27.5
  Top Layer w0.305: R12.2@39.775,54.445 R12.2 R13.2 44.25,54.445 ; U1.6 44.347,54.348 44.25,54.445 ; R17.1 56.579,53.721 54.3,56 46.748,56 45.998,55.25 C7.2 44.25,54.445
  Top Layer w0.381: C6.2 R12.2@39.775,54.445
NetC7_1: C7.1 R22.1 R23.1 R24.1 U1.5 | length 22.7
  Top Layer w0.305: C7.1 R24.1 ; v1(64.75,53.75) 66.213,53.75 R22.1
  Bottom Layer w0.305: v1(46.875,50.75) 61.75,50.75 v1(64.75,53.75)
NetC15_2: C15.2 U3.2 | length 20.4
  Top Layer w0.305: C15.2 45.026,31.056 48.75,34.78 48.75,42.171 49.646,43.067 U3.2@51.5,43.067
NetD3_1: D3.1 USB1.1 | length 8.6
  Top Layer w0.305: USB1.1 58.96,31.21 60.008,32.258 D3.1
NetDL1_2: DL1.2 R26.2 | length 2.1
  Top Layer w0.305: R26.2@39.766,60.579 DL1.2
NetR2_1: R2.1 R3.2 | length 2.8
  Top Layer w0.381: R3.2 R2.1
NetR2_2: R2.2 R31.1 | length 2.8
  Top Layer w0.381: R2.2 R31.1
NetR3_1: R3.1 R4.2 | length 2.8
  Top Layer w0.381: R4.2 R3.1
NetR5_2: R5.2 R11.1 U1.1 | length 4.9
  Top Layer w0.381: U1.1 41.807,41.189 R5.2 R11.1
NetR6_1: R6.1 R7.2 | length 2.8
  Top Layer w0.381: R6.1 68.63,65.43 R7.2
NetR7_1: R7.1 R8.2 | length 2.8
  Top Layer w0.381: R8.2 R7.1
NetR8_1: R8.1 R9.2 | length 2.8
  Top Layer w0.381: R9.2 R8.1
NetR14_1: R14.1 R15.2 | length 2.8
  Top Layer w0.381: R15.2 R14.1
NetR15_1: R15.1 R16.2 | length 2.8
  Top Layer w0.381: R16.2 R15.1
NetR16_1: R16.1 R17.2 | length 2.8
  Top Layer w0.381: R17.2 R16.1
NetR19_1: R19.1 R20.2 | length 2.8
  Top Layer w0.381: R20.2 R19.1
NetR20_1: R20.1 R21.2 | length 2.8
  Top Layer w0.381: R21.2 R20.1
NetR21_1: R21.1 R22.2 | length 2.8
  Top Layer w0.381: R22.2 R21.1
NetR29_1: R29.1 U3.23 | length 3.5
  Top Layer w0.254: U3.23 61.217,40.467 61.484,40.734 R29.1
NetR29_2: R29.2 TX.2 | length 1.8
  Top Layer w0.381: R29.2 65.262,41.767 TX.2
NetR30_1: R30.1 U3.22 | length 2.7
  Top Layer w0.254: U3.22 60.731,39.817 61.484,39.064 R30.1@61.484,39
NetR30_2: R30.2 RX.2 | length 1.8
  Top Layer w0.305: R30.2 65.281,39.5 RX.2
NetTP_1: TP.1 U2.3
NEUTRO: C19.2 H1.1@59.652,77.015 R14.2 R31.2 T1.3 V1.1 | length 31.1
  Top Layer w0.381: R14.2 R31.2 60.654,75.744 59.652,76.746 H1.1@59.652,77.015
  Top Layer w2.54: T1.3 43.198,73.845 47.345,73.845 C19.2 59.137,76.5 H1.1@59.652,77.015
OSC1: C13.1 U.7 Xf1.1 | length 13.9
  Top Layer w0.381: Xf1.1 18.484,51.335 18.484,50 18.99,49.494 C13.1 25.157,49.494 26.231,48.419 U.7
OSC2: C12.1 U.8 Xf1.2 | length 11.3
  Top Layer w0.381: Xf1.2 18.548,47.554 18.964,47.97 C12.1 24.471,47.97 25.431,47.01 U.8
PB0: U.12
PB1: P1.1 U.13 | length 25.3
  Top Layer w0.381: P1.1 9.042,45.466 10.414,44.094 10.414,41.123 11.776,39.76 U.13
PB2_CS: U2.6 U.14 | length 23
  Top Layer w0.381: U2.6 11.282,29.718 10.75,30.25 10.75,37.471 12.239,38.96 U.14
PB3_DO: H2.2 U.15 | length 11.1
  Top Layer w0.254: H2.2@15.316,34.696 15.316,35.103 16.561,36.347 16.561,37.567 17.154,38.16 U.15
PB4_DI: H1.1@17.856,37.033 U2.7 U.16 | length 16
  Top Layer w0.254: U2.7 14.529,30.988 16.612,33.071 16.612,35.453 17.856,36.698 17.856,37.236 17.98,37.36 U.16
PB5_SCK: H1.2@15.316,37.033 U2.5 U.17 | length 25.4
  Top Layer w0.381: U2.5 14.046,28.448 14.453,28.448 21.965,35.96 U.17
  Bottom Layer w0.254: v1@14.097,28.473 14.097,36.017 H1.2@15.316,37.236
  other v1: 14.046,28.473
PD2: C3.2 R5.1 U.32 | length 10.7
  Top Layer w0.381: U.32 39.08,42.96 39.734,42.306 R5.1 C3.2
PD4: U.2
PD7: U.11
PWM1A: P4.1 U.10 | length 28.5
  Top Layer w0.381: P4.1 11.049,50.927 12.217,49.759 12.217,43.409 13.466,42.16 U.10
PWM1B: P4.3 U.9 | length 32.4
  Top Layer w0.381: P4.3 12.471,56.007 13.614,54.864 13.614,44.78 15.434,42.96 U.9
PWM3B: U.1
RESET: C15.1 H1.3@12.776,37.033 R25.1 Sw1.1 U.29 | length 65.8
  Top Layer w0.305: Sw1.1@37.214,18.198 Sw1.1@37.214,24.802
  Top Layer w0.381: U.29 35.44,40.56 36.095,39.905 36.095,31.881 36.92,31.056 C15.1
  Top Layer w0.508: Sw1.1@37.214,24.802 37.214,25.214 38.124,26.124 38.124,27.329 R25.1 C15.1
  Bottom Layer w0.508: H1.3@12.776,37.033 12.141,37.033 10.49,35.382 10.49,28.829 12.268,27.051 34.965,27.051 Sw1.1@37.214,24.802
RX: R27.1 U3.1 | length 14.7
  Top Layer w0.305: R27.1 47.014,34.544 47.649,35.179 47.649,42.62 48.746,43.717 U3.1
RXD: R27.2 U.30 | length 17.2
  Top Layer w0.381: U.30 36.104,41.36 37.214,40.25 37.214,35.064 37.734,34.544 R27.2
TERRA: C18.2 C20.1 H1.2@59.652,82.095 | length 58.2
  Bottom Layer w2.54: C18.2 23.774,83.871 C20.1 25.55,82.095 59.652,82.095 62.664,82.095 66,85.431 v3(66,96)
TX: R28.1 U3.5 | length 9.6
  Top Layer w0.305: R28.1 v1(45.766,39.016) ; v1(49.479,41.097) 52.239,41.097 U3.5
  Bottom Layer w0.305: v1(45.766,39.016) 47.847,41.097 v1(49.479,41.097)
TXD: R28.2 U.31 | length 15.5
  Top Layer w0.381: U.31 36.988,42.16 38.25,40.898 38.25,37.58 39.08,36.75 R28.2
pads on no net: U3.3 U3.6 U3.8 U3.9 U3.10 U3.11 U3.12 U3.13 U3.14 U3.19 U3.24 U3.26 U3.27 U3.28
copper on no net:
  other v2: 4,20.5 66,20.5 4,96

## Polygon pours and split planes (outlines as drawn)
GND on Bottom Layer "Bottom Layer-GND" (solid, pour order 0): 0,62.357 0,24.13 8.23,24.13 8.23,16.256 60.249,16.256 60.274,16.281 60.25,16.306 60.25,26.5 69.977,26.5 69.977,49.251 47.523,49.251 34.417,62.357

## Keep-outs
Bottom Layer:
  lines w0.127: 1.422,27.73 4.089,27.73 4.089,32.918 1.422,32.918 1.422,27.73

## Other copper
Top Layer:
  rectangle net GND: 39.091,46.838 48.362,48.235
  region net GND: 15.727,60.958 20.118,60.958 20.118,55.827 21.464,54.303 27.306,54.303 30.656,57.631 35.206,57.631 35.206,48.893 27.002,48.893 24.943,50.952 22.734,50.952 22.734,53.033 15.727,53.033
  region net GND: 53.619,44.831 53.645,44.856 57.81,44.856 57.81,36.398 53.619,36.398
  region net GND: 25.197,43.205 25.197,37.109 31.293,37.109 31.293,43.205
  region net +5V: 21.692,61.138 26.314,61.138 26.314,56.312 21.692,56.312
  region net +5V: 59.538,38.684 60.604,38.684 60.884,38.405 66.624,38.405 66.954,38.735 66.954,42.418 68.224,42.418 68.224,33.122 66.624,33.122 66.624,37.389 66.396,37.617 62.865,37.617 62.865,37.211 61.62,37.211 61.62,37.389 61.392,37.617 60.985,37.617 60.249,38.354 59.538,38.354
  region net NetC7_1: 45.314,49.8 45.314,52.469 45.88,53.035 48.717,53.035 48.717,49.124 48.412,48.819 45.812,48.819
  region net +5V: 7.682,28.75 7.682,27.791 7.989,27.5 15.189,27.5 21.873,34.163 28.478,34.163 29.032,33.609 29.032,30.937 27.127,30.937 27.127,32.461 26.721,32.868 21.842,32.868 15.215,26.25 14.225,26.25 7.225,26.25 6.475,27 6.475,28.75
  region net NetTP_1: 2.794,30.023 6.5,30.023 6.5,29.413 5.663,29.413 4.5,28.25 2.794,28.25
  region net GND: 2.507,30.683 7.925,30.683 7.925,32.563 2.507,32.563
Bottom Layer:
  rectangle net +5V: 22.758,57.997 25.4,60.46
  rectangle net GND: 16.561,55.914 19.202,58.378
  rectangle net GND: 26.975,39.091 29.616,41.554
  rectangle net GND: 54.458,41.351 57.099,43.815
  region net TERRA: 69.748,96.291 66.205,99.835 62.255,95.885 62.255,84.76 60.808,83.312 60.808,80.899 60.833,80.874 68.021,80.874 69.748,82.601
  region net +5V: 60.63,37.592 60.63,37.821 61.239,38.43 63.449,38.43 63.449,36.678 61.265,34.493 59.69,34.493 59.69,36.881 60.655,37.846
  region net +5V: 28.736,33.045 27.009,33.045 27.009,30.505 28.778,30.505

## Silkscreen, mask and mechanical layers (free items; w line width, h text height)
Top Overlay:
  drawing of 21 lines, arcs and shapes, not listed
  text "+5V" at 51.562,64.262 h1.02
  text "gnd" at 51.562,62.306 h1.02
  text "POWER  ON" at 37.008,58.547 h1.27
  text "RST" at 12.802,38.989 h0.76 r45
  text "MISO" at 18.136,38.913 h0.76 r45
  text "SCK" at 15.494,38.887 h0.76 r45
  text "ICSP" at 21.285,33.376 h1.27 r90
  text "5V" at 17.805,32.106 h0.76 r315
  text "MOSI" at 15.291,32.029 h0.76 r315
  text "GND" at 13.538,31.394 h0.76 r315
Mechanical 1:
  the board outline again, w0.508

## Text inside footprints (layer, text, board x,y; h text height)
C5: Top Overlay "+" at 22.865,51.45 h0.76
P1: Top Overlay "1" at 5.08,45.339 h0.76 r90
P2: Top Overlay "1" at 5.08,34.417 h0.76 r90
P3: Top Overlay "1" at 5.08,39.878 h0.76 r90
P4: Top Overlay "1" at 5.207,50.673 h0.76 r90
TP: Top Overlay "1" at 5.08,28.956 h0.76 r90